# Altium PCB Radxa CM5 IO Board v2200.PcbDoc (part 5 of 8)
Units mil, origin at the board's own origin, x right, y up, seen from the top; angles counter-clockwise.
Board outline 6299.61 x 3544.09 mil, 4 copper layers (Top, GND, Power, Bottom), stack 35.4 mil thick; 482 components, 404 nets, 1857 pads, 2731 vias.
Unrouted connection lines stored in the file: 1872.
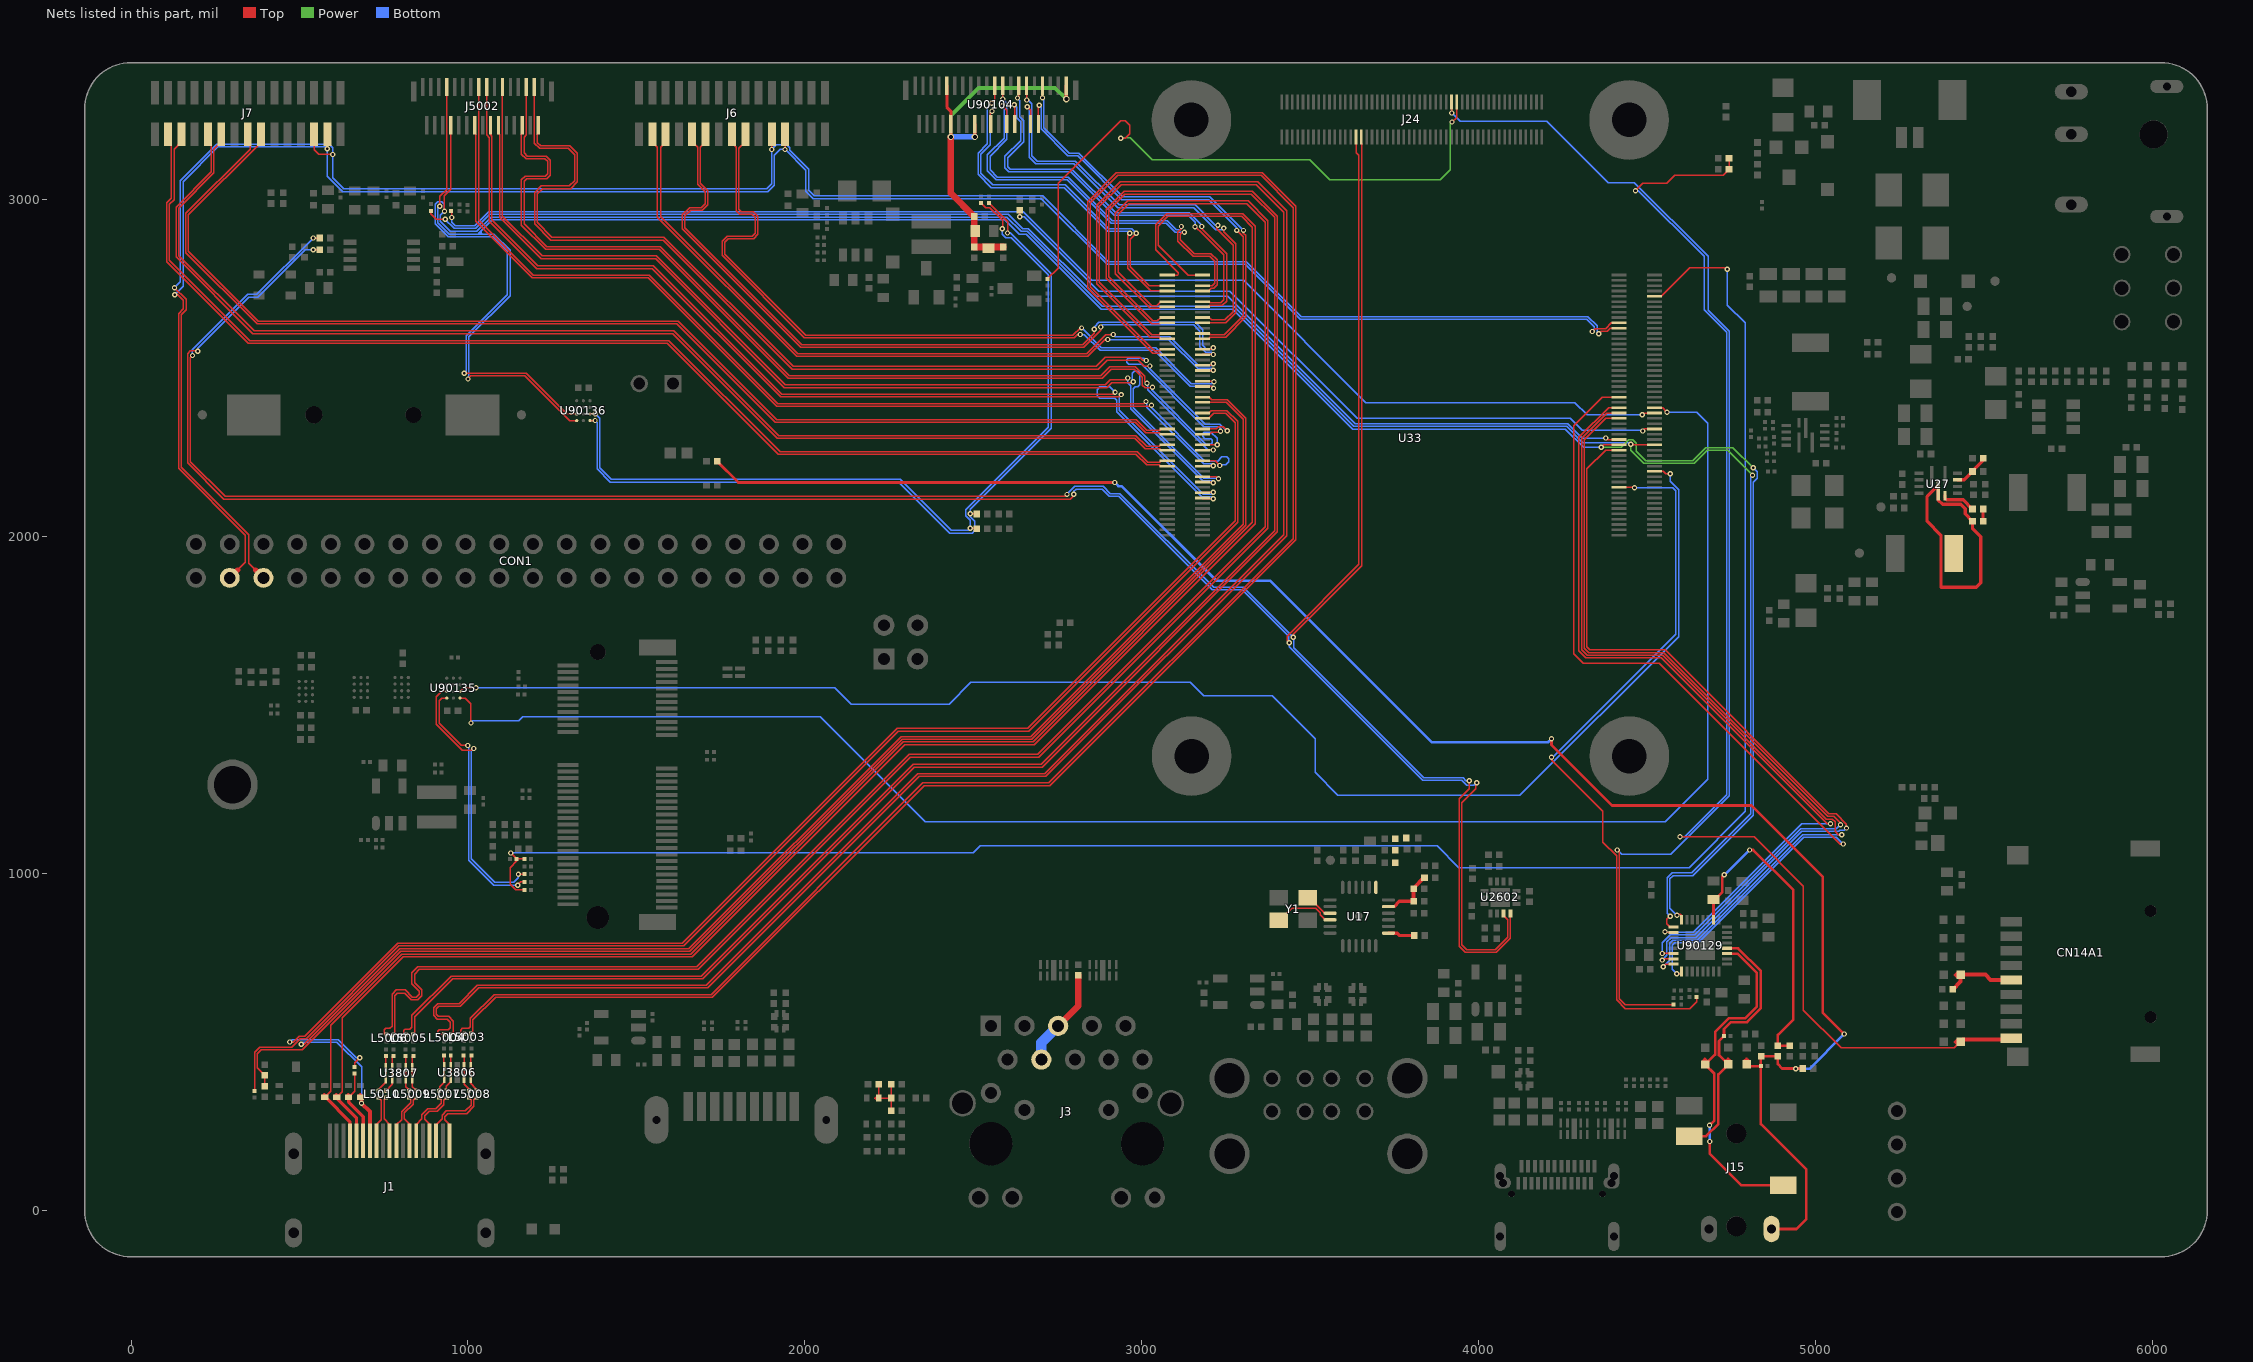
[diagram p6: the nets of this part, all layers, seen from the top]

## Via types
v1: diameter 15.75, hole 7.87, Top to Bottom, 2292 vias
v2: diameter 19.68, hole 11.81, Top to Bottom, 439 vias

## Nets (pads, with @x,y where several pads share a name; then routed paths per layer and width w, separated by ;. In a path a pad name is that pad's centre, name@x,y a point inside that pad or via, vN(x,y) a via of type N, cw(c..) or ccw(c..) an arc to the next point about the centre after c; other vN are vias at no path point) (continued)
HDMI0_SBDP: C90429.2 ED5.1 J1.14 | length 224.1
  Top w3.94: ED5.1@645.67,334.65 663.39,352.36 C90429.2@663.39,405.51
  Top w9.84: ED5.1@645.67,334.65 645.67,320.87 688.98,277.56 J1.14@688.98,206.69
HDMI0_TX0N: L5005.2 R957.1 U33.184 | length 5135.2
  Top w3.94: L5005.2@816.73,521.65 816.73,520.67 R957.1@814.96,520.67 810.04,525.59 810.04,533.46 813.98,537.4 827.76,537.4 833.66,543.31 833.66,577.76 950.79,694.88 1692.91,694.88 2320.87,1322.83 2700.51,1322.83 3393.7,2016.02 3393.7,2945.87 3324.8,3014.76 2949.32,3014.76 2901.57,2967.02 2901.57,2769.68 3032.48,2638.78 3045.28,2638.78 3055.51,2649.02 U33.184@3075.2,2649.02
HDMI0_TX0N_PORT: C90422.2 L5009.2 R95267.1 U3807.2 U3807.9 | length 110.3
  Top w3.94: C90422.2@814.96,457.68 814.96,444.39 U3807.2@814.96,423.72 U3807.9@814.96,389.28 814.96,366.93 L5009.2@826.57,355.31 826.57,355.02 825.34,353.79 825.34,354.33 R95267.1@824.8,354.33
HDMI0_TX0N_PORT_C: J1.9 L5009.3 R95267.2 | length 145.8
  Top w3.94: J1.9@787.41,206.69 787.41,252.96 803.15,268.7 803.15,292.32 829.72,318.9 829.72,330.51 L5009.3@826.57,333.66
HDMI0_TX0P: L5005.1 R956.1 U33.182 | length 5154.5
  Top w3.94: R956.1@837.6,520.67 837.01,520.67 837.01,520.08 835.63,521.46 L5005.1@835.63,521.65 841.54,527.56 841.54,573.82 954.72,687.01 1696.85,687.01 2324.8,1314.96 2703.79,1314.96 3401.57,2012.74 3401.57,2949.8 3327.76,3023.62 2947.04,3023.62 2893.7,2970.28 2893.7,2765.75 3028.54,2630.91 3053.15,2630.91 3055.51,2633.27 U33.182@3075.2,2633.27
HDMI0_TX0P_PORT: C90421.2 L5009.1 R95268.1 U3807.1 U3807.10 | length 108.1
  Top w3.94: C90421.2@837.6,457.68 834.65,454.72 U3807.1@834.65,423.72 U3807.10@834.65,389.28 834.65,366.14 L5009.1@845.47,355.31
HDMI0_TX0P_PORT_C: J1.7 L5009.4 R95268.2 | length 147.8
  Top w3.94: J1.7@826.78,206.69 826.78,254.92 811.02,270.67 811.02,288.39 837.6,314.96 837.6,325.79 L5009.4@845.47,333.66
HDMI0_TX1N: L5004.2 R955.1 U33.178 | length 5328.4
  Top w3.94: L5004.2@928.94,522.64 928.15,521.85 R955.1@928.15,521.65 913.39,521.65 910.43,524.61 910.43,530.51 915.35,535.43 941.73,535.43 947.83,541.54 947.83,558.07 938.98,566.93 908.46,566.93 897.64,577.76 897.64,601.24 909.59,613.19 973.43,613.19 1027.56,667.32 1706.69,667.32 2334.65,1295.28 2711.96,1295.28 3421.26,2004.57 3421.26,2961.61 3339.57,3043.31 2938.89,3043.31 2874.02,2978.43 2874.02,2752.95 3028.54,2598.43 3051.18,2598.43 3054.53,2601.77 U33.178@3075.2,2601.77
HDMI0_TX1N_PORT: C90420.2 L5007.2 R95264.1 U3806.1 U3806.10 | length 113.2
  Top w3.94: R95264.1@914.37,354.33 914.91,354.33 914.91,353.79 916.14,355.02 L5007.2@916.14,355.31 916.14,366.93 929.13,379.92 U3806.1@929.13,391.24 U3806.10@929.13,425.68 928.15,426.67 C90420.2@928.15,459.65
HDMI0_TX1N_PORT_C: J1.6 L5007.3 R95264.2 | length 177.9
  Top w3.94: J1.6@846.46,206.69 846.46,253.94 863.19,270.67 863.19,283.46 880.91,301.18 904.53,301.18 920.28,316.93 920.28,328.74 R95264.2@914.37,334.65 914.91,334.65 914.91,335.19 916.14,333.96 L5007.3@916.14,333.66
HDMI0_TX1P: L5004.1 R954.1 U33.176 | length 5324.7
  Top w3.94: L5004.1@947.83,522.64 R954.1@948.82,521.65 955.71,528.54 955.71,561.33 942.24,574.8 911.73,574.8 905.51,581.02 905.51,597.98 912.85,605.31 977.36,605.31 1031.5,659.45 1711.61,659.45 2339.57,1287.4 2715.24,1287.4 3429.13,2001.29 3429.13,2965.55 3343.5,3051.18 2935.63,3051.18 2866.14,2981.69 2866.14,2749.35 3024.94,2590.55 3051.18,2590.55 3055.71,2586.02 U33.176@3075.2,2586.02
HDMI0_TX1P_PORT: C90427.2 L5007.1 R95263.1 U3806.2 U3806.9 | length 113
  Top w3.94: R95263.1@937.01,354.33 935.04,354.33 L5007.1@935.04,355.31 935.04,367.12 948.82,380.91 U3806.2@948.82,391.24 U3806.9@948.82,425.68 948.82,446.35 ; 948.82,446.36 C90427.2@948.82,459.65
HDMI0_TX1P_PORT_C: J1.4 L5007.4 R95263.2 | length 178.5
  Top w3.94: J1.4@885.83,206.69 885.83,254.92 871.06,269.68 871.06,279.53 884.84,293.31 908.46,293.31 928.15,312.99 928.15,325.79 R95263.2@937.01,334.65 936.42,334.65 936.42,335.24 935.04,333.86 L5007.4@935.04,333.66
HDMI0_TX2N: L5003.2 R953.1 U33.172 | length 5327.5
  Top w3.94: L5003.2@988.98,523.62 988.98,522.64 R953.1@987.2,522.64 987.2,523.62 981.3,523.62 978.35,526.57 978.35,534.45 983.27,539.37 1001.97,539.37 1006.89,544.29 1006.89,568.9 1077.76,639.76 1721.46,639.76 2349.41,1267.72 2723.45,1267.72 3448.82,1993.09 3448.82,2975.39 3353.35,3070.87 2927.47,3070.87 2846.46,2989.85 2846.46,2740.16 3036.42,2550.2 3051.18,2550.2 3055.51,2554.53 U33.172@3075.2,2554.53
HDMI0_TX2N_PORT: C90426.2 L5008.2 R95266.1 U3806.4 U3806.7 | length 114.7
  Top w3.94: C90426.2@987.2,459.65 988.19,458.66 988.19,445.87 U3806.7@988.18,425.68 U3806.4@988.18,391.24 988.18,373.23 1004.72,356.69 L5008.2@1004.72,355.31 1004.72,355.02 1003.49,353.79 1003.49,354.33 R95266.1@1002.95,354.33
HDMI0_TX2N_PORT_C: J1.3 L5008.3 R95266.2 | length 206.9
  Top w3.94: J1.3@905.52,206.69 905.52,252.96 923.23,270.67 923.23,281.5 936.02,294.29 992.13,294.29 1009.84,312.01 1009.84,327.76 R95266.2@1002.95,334.65
HDMI0_TX2P: L5003.1 R952.1 U33.170 | length 5339.2
  Top w3.94: R952.1@1009.84,522.64 1009.25,522.64 1009.25,522.05 1007.87,523.43 L5003.1@1007.87,523.62 1014.76,530.51 1014.76,564.96 1081.69,631.89 1725.39,631.89 2353.35,1259.84 2726.71,1259.84 3456.69,1989.82 3456.69,2979.33 3357.28,3078.74 2924.21,3078.74 2838.58,2993.11 2838.58,2736.22 3032.48,2542.32 3052.17,2542.32 3055.71,2538.78 U33.170@3075.2,2538.78
HDMI0_TX2P_PORT: C90425.2 L5008.1 R95265.1 U3806.5 U3806.6 | length 115
  Top w3.94: C90425.2@1009.84,459.65 1007.87,457.68 U3806.6@1007.87,425.68 U3806.5@1007.87,391.24 1007.87,375.98 1023.62,360.24 L5008.1@1023.62,355.31 1023.62,355.12 1025,353.74 1025,354.33 R95265.1@1025.59,354.33
HDMI0_TX2P_PORT_C: J1.1 L5008.4 R95265.2 | length 205.3
  Top w3.94: J1.1@944.89,206.69 945.87,206.69 945.87,252.95 931.1,267.72 931.1,277.56 939.96,286.42 996.06,286.42 1017.72,308.07 1017.72,327.76 L5008.4@1023.62,333.66
HDMI0_TX3N: L5006.2 R959.1 U33.190 | length 5136.4
  Top w3.94: L5006.2@758.66,521.65 757.87,520.87 R959.1@757.87,520.67 753.94,520.67 751.97,522.64 751.97,535.43 755.91,539.37 767.72,539.37 774.61,546.26 774.61,640.75 787.4,653.54 813.3,653.54 834.95,631.89 846.46,631.89 855.31,640.75 855.31,650.28 833.66,671.94 833.66,704.72 851.38,722.44 1679.13,722.44 2309.06,1352.36 2690.98,1352.36 3366.14,2027.53 3366.14,2932.09 3311.02,2987.2 2960.74,2987.2 2929.13,2955.6 2929.13,2783.46 3028.54,2684.06 3043.31,2684.06 3055.51,2696.26 U33.190@3075.2,2696.26
HDMI0_TX3N_PORT: C90423.2 L5010.2 R95270.1 U3807.5 U3807.6 | length 114.1
  Top w3.94: R95270.1@734.25,354.33 734.79,354.33 734.79,353.79 736.02,355.02 L5010.2@736.02,355.31 736.02,360.04 755.91,379.93 U3807.6@755.91,389.28 U3807.5@755.91,423.72 755.91,456.69 C90423.2@756.89,457.68
HDMI0_TX3N_PORT_C: J1.12 L5010.3 R95270.2 | length 136
  Top w3.94: J1.12@728.35,206.69 728.35,253.94 743.11,268.7 743.11,326.57 L5010.3@736.02,333.66
HDMI0_TX3P: L5006.1 R958.1 U33.188 | length 5151.4
  Top w3.94: R958.1@778.54,520.67 L5006.1@777.56,521.65 782.48,526.57 782.48,636.81 789.71,644.04 811.67,644.04 831.69,624.02 850.39,624.02 863.19,636.81 863.19,653.54 841.54,675.2 841.54,700.79 855.31,714.57 1683.07,714.57 2312.99,1344.49 2694.26,1344.49 3374.02,2024.25 3374.02,2936.02 3314.96,2995.08 2957.47,2995.08 2921.26,2958.86 2921.26,2779.53 3024.61,2676.18 3051.18,2676.18 3055.51,2680.51 U33.188@3075.2,2680.51
HDMI0_TX3P_PORT: C90424.2 L5010.1 R95269.1 U3807.4 U3807.7 | length 117.8
  Top w3.94: C90424.2@778.54,457.68 775.6,454.73 U3807.4@775.6,423.72 U3807.7@775.6,389.28 775.6,373.04 R95269.1@756.89,354.33 ; R95269.1@756.89,354.33 756.3,354.33 756.3,353.74 754.92,355.12 L5010.1@754.92,355.31 R95269.1@756.89,354.33
HDMI0_TX3P_PORT_C: J1.10 L5010.4 R95269.2 | length 142.9
  Top w3.94: J1.10@767.72,206.69 767.72,253.94 750.98,270.67 750.98,328.74 R95269.2@756.89,334.65 ; R95269.2@756.89,334.65 756.3,334.65 756.3,335.24 754.92,333.86 L5010.4@754.92,333.66 R95269.2@756.89,334.65
HDMI0_TX_SBDN_C: C90430.1 U33.147 | length 4104.7
  Top w3.94: C90430.1@367.13,353.35 367.13,468.5 381.89,483.27 476.38,483.27 501.97,508.86 519.38,508.86 794.97,784.45 1639.76,784.45 2276.57,1421.26 2663.68,1421.26 3284.45,2042.03 3284.45,2340.66 3252.08,2373.03 3205.71,2373.03 3198.23,2365.55 U33.147@3179.13,2365.55
HDMI0_TX_SBDP_C: C90429.1 U33.145 | length 4119.6
  Top w3.94: v1(471.46,499.02) 480.99,499.02 498.71,516.73 516.11,516.73 791.71,792.32 1635.83,792.32 2273.62,1430.12 2661.38,1430.12 3276.57,2045.31 3276.57,2337.4 3248.82,2365.16 3213.58,2365.16 3198.23,2349.8 U33.145@3179.13,2349.8 ; C90429.1@663.39,425.2 663.39,437.01 v1(679.13,452.76)
  Bottom w3.94: v1(471.46,499.02) 478.35,505.91 615.16,505.91 668.31,452.76 v1(679.13,452.76)
HDMI_TX0_CEC_PORT: ED9206.1 J1.13 U33.151 | length 4349.1
  Top w3.94: v1(504.92,492.13) 513.78,492.13 797.24,775.59 1655.2,775.59 2285.12,1405.51 2670.24,1405.51 3300.2,2035.47 3300.2,2347.19 3250.33,2397.05 U33.151@3179.13,2397.05
  Top w9.84: ED9206.1@681.1,334.65 ED9206.1@684.06,334.65
  Top w11.81: ED9206.1@684.06,334.65 v1(684.06,316.93) 708.67,292.32 J1.13@708.67,206.69
  Bottom w3.94: v1(504.92,492.13) 510.83,498.03 611.22,498.03 684.06,425.2 v1(684.06,316.93)
HDMI_TX0_HPD_M0: R95282.1 R95615.1 U33.153 | length 4161.5
  Top w3.94: R95282.1@397.15,367.62 R95615.1@397.15,400.1 375,422.24 375,464.57 385.83,475.39 508.55,475.39 800.87,767.72 1658.46,767.72 2288.39,1397.64 2673.5,1397.64 3308.07,2032.21 3308.07,2350.45 3253.01,2405.51 3206.69,2405.51 3199.41,2412.8 U33.153@3179.13,2412.8
HDMI_TX0_SCL_5V: ED3.1 J1.15 U33.200 | length 5131.5
  Top w3.94: ED3.1@610.24,334.65 626.97,351.38 626.97,571.54 807.4,751.97 1666.22,751.97 2296.14,1381.89 2680.02,1381.89 3335.63,2037.5 3335.63,2920.36 3299.29,2956.69 3073.51,2956.69 3040.35,2923.54 3040.35,2849.56 3108.27,2781.65 3108.27,2777.56 3105.71,2775 U33.200@3075.2,2775
  Top w9.84: ED3.1@610.24,334.65 607.28,334.65 669.3,272.63 J1.15@669.3,206.69
HDMI_TX0_SDA_5V: ED2.1 J1.16 U33.199 | length 5140.6
  Top w3.94: ED2.1@574.8,334.65 592.52,352.36 592.52,548.23 804.13,759.84 1661.73,759.84 2291.65,1389.76 2676.76,1389.76 3327.76,2040.76 3327.76,2917.1 3296.03,2948.82 3076.77,2948.82 3048.23,2920.28 3048.23,2863.39 3137.01,2774.61 3178.74,2774.61 U33.199@3179.13,2775
  Top w9.84: ED2.1@574.8,334.65 577.76,334.65 649.61,262.79 J1.16@649.61,206.69
HOST_WAKE_BT_H: R95147.1 R95152.1 R95154.1 U33.91 | length 5833.3
  Top w3.94: v1(1126.97,1060.04) 1127.18,1060.25 1144.88,1042.55 1144.65,1042.55 R95154.1@1144.65,1042.31 ; R95152.1@1167.28,950.77 1141.75,950.77 1125,967.52 1125,1016.53 1144.65,1036.18 R95154.1@1144.65,1042.31 ; R95147.1@1167.28,1042.31 R95154.1@1144.65,1042.31 ; U33.91@4520.47,2712.01 4540.35,2712.01 4625.59,2797.24 4732.28,2797.24 v1(4737.2,2792.32)
  Bottom w3.94: v1(1126.97,1060.04) 2499.38,1060.04 2520.05,1080.71 3875.98,1080.71 3939.96,1016.73 4624.02,1016.73 4790.35,1183.07 4790.35,2632.87 4737.2,2686.02 v1(4737.2,2792.32)
HP_DET_L: J24.36 R90341.2 | length 3619.2
  Top w3.94: J24.36@3918.7,3288.58 3919.29,3288.58 v1(3919.29,3255.91) ; v1(4410.43,1068.9) 4416.34,1062.99 4416.34,627.95 4434.06,610.24 R90341.2@4577.76,610.24
  Bottom w3.94: v1(3919.29,3255.91) 3943.9,3231.3 4201.77,3231.3 4383.67,3049.4 4460.81,3049.4 4680.12,2830.09 4680.12,2671.26 4743.11,2608.27 4743.11,1229.39 4569.82,1056.1 4423.23,1056.1 v1(4410.43,1068.9)
HP_INT: R95573.2 U33.20 | length 2190.1
  Top w3.94: v1(4215.55,1344.49) 4215.55,1335.63 4368.11,1183.07 4368.11,1091.54 4408.46,1051.18 4408.46,624.69 4434.73,598.43 4625.98,598.43 4645.67,618.11 R95573.2@4645.67,632.87 ; U33.20@4415.75,2145.08 4461.61,2145.08 v1(4461.61,2143.7)
  Bottom w3.94: v1(4215.55,1344.49) 4219.37,1344.49 4584.65,1709.77 4584.65,2134.84 4575.79,2143.7 v1(4461.61,2143.7)
HPOL: ED2111.1 J15.3 R90338.2 U90129.20 | length 786
  Top w7.87: J15.3@4624.04,219.67 4674.21,219.67 4710.63,256.09 4710.63,403.15 ED2111.1@4740.16,432.68 4712.6,460.24 4712.6,501.97 R90338.2@4727.36,516.73 4727.36,537.23 4748.2,558.07 4795.28,558.07 4836.61,599.41 4836.61,709.65 4769.07,777.19 U90129.20@4736.4,777.19
HPOR: ED2110.1 J15.6 U90129.19 | length 1016.1
  Top w7.87: v1(4684.06,251.97) 4698.82,266.73 4698.82,404.83 ED2110.1@4671.35,432.3 4671.41,432.24 4700.79,461.61 4700.79,528.54 4742.13,569.88 4790.35,569.88 4824.8,604.33 4824.8,704.36 4767.72,761.44 U90129.19@4736.4,761.44 ; v1(4685.04,203.74) 4685.04,167.32 4778.36,74 J15.6@4903.57,74
  Bottom w7.87: v1(4684.06,251.97) 4685.04,250.98 v1(4685.04,203.74)
I2C4_SCL_M3_WIFI: U33.49 U90135.D3 | length 5189.1
  Top w3.94: U90135.D3@976.38,1519.68 992.13,1519.68 1008.86,1502.95 v1(1008.86,1445.87) ; U33.49@4520.47,2381.3 4544.88,2381.3 v1(4558.07,2368.11)
  Bottom w3.94: v1(1008.86,1445.87) 1014.76,1451.77 1150.17,1451.77 1161.98,1463.58 2045.28,1463.58 2356.3,1152.56 4552.9,1152.56 4679.13,1278.79 4679.13,2334.65 4645.67,2368.11 v1(4558.07,2368.11)
I2C4_SCL_M3_WIFI_E: R95150.1 U90135.D1 | length 747.1
  Top w3.94: U90135.D1@937.01,1519.68 922.24,1519.68 914.37,1511.81 914.37,1444.52 979.95,1378.94 v1(999.02,1378.94) ; v1(1147.64,964.57) 1147.83,965.5 1156.72,974.4 R95150.1@1167.28,974.4
  Bottom w3.94: v1(999.02,1378.94) 1001.97,1375.98 1001.97,1038.39 1075.79,964.57 v1(1147.64,964.57)
I2C4_SDA_M3_WIFI: U33.25 U90135.C3 | length 4603.2
  Top w3.94: U90135.C3@976.38,1539.37 987.2,1550.2 v1(1023.62,1550.2) ; U33.25@4520.47,2192.32 4546.85,2192.32 4554.13,2185.04 v1(4567.91,2185.04)
  Bottom w3.94: v1(1023.62,1550.2) 2088.58,1550.2 2136.81,1501.97 2428.15,1501.97 2492.13,1565.94 3143.7,1565.94 3183.07,1526.57 3386.7,1526.57 3513.78,1399.5 3513.78,1299.21 3581.69,1231.3 4121.85,1231.3 4592.52,1701.97 4592.52,2138.1 4567.91,2162.71 v1(4567.91,2185.04)
I2C4_SDA_M3_WIFI_E: R95149.1 U90135.C1 | length 797.6
  Top w3.94: U90135.C1@937.01,1539.37 922.24,1539.37 906.5,1523.62 906.5,1441.25 983.58,1364.17 1010.83,1364.17 v1(1016.73,1370.08) ; v1(1149.61,997.05) R95149.1@1167.28,997.03
  Bottom w3.94: v1(1016.73,1370.08) 1009.84,1363.19 1009.84,1042.32 1079.72,972.44 1135.83,972.44 1149.61,986.22 v1(1149.61,997.05)
I2C6_SCL_M3: J24.71 R120.2 U2602.6 | length 7452.6
  Top w3.94: v1(198.43,2548.43) 196.85,2550 176.38,2550 168.31,2541.93 168.31,2217.52 275.59,2110.24 2787.4,2110.24 2800,2122.83 v1(2798.03,2124.8) ; v1(540.35,2850.39) R120.2@560.04,2850.39 ; v1(3437.01,1684.06) 3431.1,1689.96 3431.1,1703.74 3643.7,1916.34 3643.7,3129.79 3635.24,3138.25 J24.71@3635.24,3184.65 ; v1(3993.11,1268.7) 3990.16,1265.75 3990.16,1250.26 3949.55,1209.65 3949.55,787.09 3963.14,773.5 4048.68,773.5 4085.19,810.01 4085.19,861.48 4073.45,873.22 U2602.6@4073.45,880.28
  Bottom w3.94: v1(198.43,2548.43) 198.43,2558.35 349.72,2709.65 376.29,2709.65 517.04,2850.39 v1(540.35,2850.39) ; v1(2798.03,2124.8) 2798.03,2132.87 2804.92,2139.76 2881.64,2139.76 2903.29,2118.11 2931.5,2118.11 3209.06,1840.55 3296.94,1840.55 3435.04,1702.45 3435.04,1684.06 v1(3437.01,1684.06) 3437.01,1671.26 3832.68,1275.59 3948.82,1275.59 3963.58,1260.83 3985.24,1260.83 v1(3993.11,1268.7)
I2C6_SDA_M3: J24.69 R95377.2 U2602.7 | length 7402.9
  Top w3.94: v1(182.28,2536.22) 176.18,2530.12 176.18,2221.46 279.13,2118.5 2773.23,2118.5 2778.35,2123.62 2778.35,2124.02 v1(2777.56,2124.02) ; v1(540.35,2884.84) R95377.2@560.04,2884.84 ; v1(3448.82,1699.8) 3448.82,1709.65 3651.57,1912.4 3651.57,3165.55 3650.98,3166.14 J24.69@3650.98,3184.65 ; v1(3971.46,1274.61) 3971.46,1251.24 3941.67,1221.46 3941.67,783.83 3959.89,765.62 4051.98,765.62 4093.14,806.78 U2602.7@4093.14,880.28
  Bottom w3.94: v1(182.28,2536.22) 182.28,2553.35 346.46,2717.52 373.03,2717.52 v1(540.35,2884.84) ; v1(2777.56,2124.02) 2801.18,2147.64 2884.9,2147.64 2906.55,2125.98 2934.76,2125.98 3212.32,1848.43 3300.2,1848.43 v1(3448.82,1699.8) 3450.79,1699.8 3450.79,1668.62 3835.94,1283.46 3952.76,1283.46 3961.61,1274.61 v1(3971.46,1274.61)
I2C7_SCL_M2: CON1.5 J6.5 J7.3 U33.80 | length 6288.1
  Top w3.94: v1(128.94,2737.2) 163.39,2702.76 163.39,2671.54 148.82,2656.97 148.82,2204.84 349.41,2004.25 349.41,1919.89 369.69,1899.61 ; J7.3@543.31,3192.91 543.31,3146.65 557.09,3132.87 v1(598.43,3132.87) ; v1(1901.57,3147.64) J6.5@1901.57,3192.91 ; v1(4355.31,2600.39) 4363.19,2608.27 4380.27,2608.27 4389.52,2617.52 U33.80@4415.75,2617.52
  Top w15.75: 369.69,1899.61 CON1.5@392.94,1876.36
  Bottom w3.94: v1(128.94,2737.2) 146.65,2754.92 146.65,3055.43 254.61,3163.39 588.38,3163.39 598.43,3153.35 v1(598.43,3132.87) 598.43,3063.3 631.21,3030.51 1886.81,3030.51 1901.57,3045.28 v1(1901.57,3147.64) 1915.35,3161.42 1946.65,3161.42 1954.72,3153.35 1954.72,3144.99 2010.83,3088.89 2010.83,3026.88 2027.87,3009.84 2705.03,3009.84 2899.92,2814.96 3309.36,2814.96 3472.75,2651.57 4323.62,2651.57 4350.39,2624.8 4350.39,2605.31 v1(4355.31,2600.39)
I2C7_SDA_M2: CON1.3 J6.4 J7.2 U33.82 | length 6197.1
  Top w3.94: v1(129.92,2716.54) 138.47,2716.54 155.51,2699.49 155.51,2674.8 140.94,2660.24 140.94,2201.57 339.57,2002.95 339.57,1922.99 316.58,1900 ; v1(582.68,3149.61) J7.2@582.68,3192.91 ; v1(1940.94,3147.64) J6.4@1940.94,3192.91 ; v1(4336.61,2607.28) 4345.47,2616.14 4375.98,2616.14 4393.11,2633.27 U33.82@4415.75,2633.27
  Top w15.75: CON1.3@292.94,1876.36 316.58,1900
  Bottom w3.94: v1(129.92,2716.54) 154.53,2741.14 154.53,3052.17 257.87,3155.51 576.77,3155.51 v1(582.68,3149.61) 582.68,3067.91 628.94,3021.65 1889.76,3021.65 1909.45,3041.34 1909.45,3130.91 1926.18,3147.64 v1(1940.94,3147.64) 2002.95,3085.63 2002.95,3023.62 2024.61,3001.97 2701.77,3001.97 2896.65,2807.09 3306.1,2807.09 3469.49,2643.7 4319.88,2643.7 4342.52,2621.06 4342.52,2613.19 v1(4336.61,2607.28)
I2C8_SCL_M2: R95472.1 R95612.2 U90136.B1 | length 2554.3
  Top w3.94: U90136.B1@1361.96,2362.77 1376.95,2362.77 v1(1377.95,2363.78) ; v1(2490.55,2023.23) 2509.84,2023.23 R95612.2@2509.84,2022.64 ; R95472.1@2522.63,2988.19 2535.78,2975.04 2548.27,2975.04 2586.22,2937.09 2586.22,2912.6 v1(2585.83,2912.6)
  Bottom w3.94: v1(1377.95,2363.78) 1390.94,2350.79 1390.94,2203.27 1425.53,2168.68 2282.22,2168.68 2433.58,2017.32 2484.65,2017.32 v1(2490.55,2023.23) 2490.55,2046.85 2476.77,2060.63 2476.77,2078.35 2722.44,2324.02 2722.44,2776.27 2612.49,2886.22 2595.47,2886.22 2585.83,2895.87 v1(2585.83,2912.6)
I2C8_SCL_M2_CAM: J5002.24 U33.35 U90129.1 U90136.B3 | length 7313.9
  Top w3.94: v1(930.12,2964.57) 930.12,3010.83 948.82,3029.53 J5002.24@948.82,3219.5 ; v1(989.17,2483.27) 990.16,2484.25 1172.24,2484.25 1293.72,2362.77 U90136.B3@1322.59,2362.77 ; v1(4450.79,2272.64) 4452.36,2271.06 U33.35@4520.47,2271.06 ; v1(4567.91,872.05) 4565.94,872.05 4557.09,863.19 4557.09,850.39 4567.3,840.18 U90129.1@4576.96,840.18
  Power w3.94: v1(4450.79,2272.64) 4450.79,2254.92 4489.17,2216.54 4638.78,2216.54 4677.17,2254.92 4738.19,2254.92 v1(4812.01,2181.1)